# KiCad board Parallel.kicad_pcb (continued)
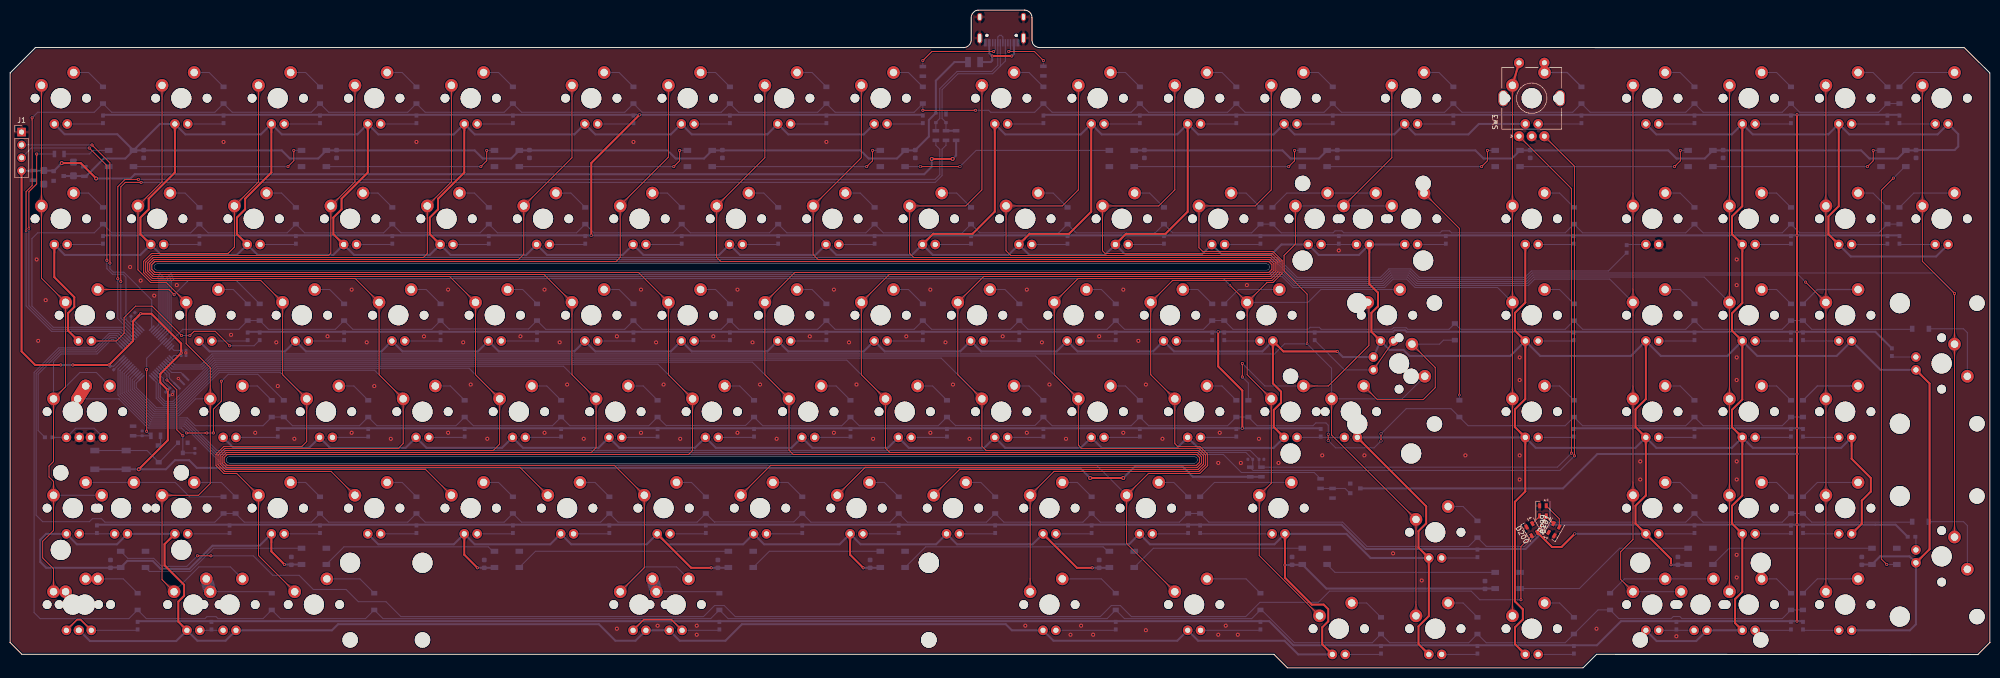
[diagram p0: board, top side]
## Copper pours and planes (outline as drawn; the poured copper is in the pictures) (continued)
Col11 on Top: 230.13,50.37 230.13,50.44 230.13,50.51 230.13,50.59 230.14,50.66 230.15,50.73 230.16,50.8 230.17,50.87 230.18,50.94 230.2,51.01 230.21,51.07 230.23,51.14 230.25,51.21 230.27,51.27 230.3,51.34 230.32,51.4 230.35,51.46 230.38,51.52 230.41,51.58 230.44,51.64 230.47,51.7 230.51,51.76 230.54,51.82 230.58,51.87 230.62,51.93 230.67,51.99 230.71,52.04 230.75,52.09 230.8,52.15 230.85,52.2 230.9,52.25 230.03,53.77 229.15,52.25 229.2,52.2 229.25,52.15 229.3,52.09 229.35,52.04 229.39,51.99 229.43,51.93 229.47,51.87 229.51,51.82 229.55,51.76 229.58,51.7 229.62,51.64 229.65,51.58 229.68,51.52 229.71,51.46 229.73,51.4 229.76,51.34 229.78,51.27 229.8,51.21 229.82,51.14 229.84,51.07 229.86,51.01 229.87,50.94 229.89,50.87 229.9,50.8 229.91,50.73 229.91,50.66 229.92,50.59 229.92,50.51 229.93,50.44 229.93,50.37
Col11 on Top: 222.4,36.13 222.34,36.07 222.29,36.02 222.23,35.97 222.18,35.93 222.12,35.88 222.07,35.84 222.01,35.8 221.95,35.76 221.89,35.72 221.83,35.69 221.77,35.65 221.71,35.62 221.65,35.59 221.59,35.56 221.53,35.53 221.46,35.51 221.4,35.48 221.34,35.46 221.27,35.44 221.21,35.42 221.14,35.41 221.07,35.39 221.01,35.38 220.94,35.37 220.87,35.36 220.8,35.35 220.73,35.35 220.66,35.34 220.59,35.34 220.52,35.34 220.06,33.65 221.75,34.1 221.75,34.18 221.75,34.25 221.76,34.32 221.76,34.39 221.77,34.46 221.78,34.53 221.79,34.59 221.8,34.66 221.82,34.73 221.84,34.8 221.85,34.86 221.87,34.93 221.89,34.99 221.92,35.05 221.94,35.12 221.97,35.18 222,35.24 222.03,35.3 222.06,35.36 222.1,35.42 222.13,35.48 222.17,35.54 222.21,35.6 222.25,35.65 222.29,35.71 222.34,35.77 222.39,35.82 222.43,35.88 222.48,35.93 222.54,35.98
Col11 on Top: 215.84,88.47 215.84,88.54 215.84,88.61 215.85,88.69 215.85,88.76 215.86,88.83 215.87,88.9 215.88,88.97 215.89,89.04 215.91,89.11 215.93,89.17 215.94,89.24 215.96,89.31 215.99,89.37 216.01,89.44 216.03,89.5 216.06,89.56 216.09,89.62 216.12,89.68 216.15,89.74 216.18,89.8 216.22,89.86 216.26,89.92 216.3,89.97 216.34,90.03 216.38,90.09 216.42,90.14 216.47,90.19 216.51,90.25 216.56,90.3 216.61,90.35 215.74,91.87 214.86,90.35 214.92,90.3 214.96,90.25 215.01,90.19 215.06,90.14 215.1,90.09 215.14,90.03 215.18,89.97 215.22,89.92 215.26,89.86 215.3,89.8 215.33,89.74 215.36,89.68 215.39,89.62 215.42,89.56 215.45,89.5 215.47,89.44 215.49,89.37 215.52,89.31 215.54,89.24 215.55,89.17 215.57,89.11 215.58,89.04 215.6,88.97 215.61,88.9 215.62,88.83 215.63,88.76 215.63,88.69 215.64,88.61 215.64,88.54 215.64,88.47
Col11 on Top: 227.16,74.23 227.1,74.17 227.05,74.12 227,74.07 226.94,74.03 226.88,73.98 226.83,73.94 226.77,73.9 226.71,73.86 226.65,73.82 226.6,73.79 226.54,73.75 226.47,73.72 226.41,73.69 226.35,73.66 226.29,73.63 226.23,73.61 226.16,73.58 226.1,73.56 226.03,73.54 225.97,73.52 225.9,73.51 225.84,73.49 225.77,73.48 225.7,73.47 225.63,73.46 225.56,73.45 225.49,73.45 225.42,73.44 225.35,73.44 225.28,73.44 224.82,71.75 226.51,72.2 226.51,72.28 226.52,72.35 226.52,72.42 226.53,72.49 226.53,72.56 226.54,72.63 226.55,72.69 226.57,72.76 226.58,72.83 226.6,72.9 226.62,72.96 226.63,73.03 226.66,73.09 226.68,73.15 226.71,73.22 226.73,73.28 226.76,73.34 226.79,73.4 226.82,73.46 226.86,73.52 226.89,73.58 226.93,73.64 226.97,73.7 227.01,73.75 227.06,73.81 227.1,73.87 227.15,73.92 227.2,73.98 227.25,74.03 227.3,74.08
Col11 on Top: 225.36,69.42 225.37,69.49 225.37,69.56 225.37,69.64 225.38,69.71 225.39,69.78 225.4,69.85 225.41,69.92 225.42,69.99 225.43,70.06 225.45,70.12 225.47,70.19 225.49,70.26 225.51,70.32 225.53,70.39 225.56,70.45 225.59,70.51 225.61,70.57 225.64,70.63 225.68,70.69 225.71,70.75 225.74,70.81 225.78,70.87 225.82,70.92 225.86,70.98 225.9,71.04 225.95,71.09 225.99,71.14 226.04,71.2 226.09,71.25 226.14,71.3 225.26,72.82 224.39,71.3 224.44,71.25 224.49,71.2 224.54,71.14 224.58,71.09 224.63,71.04 224.67,70.98 224.71,70.92 224.75,70.87 224.78,70.81 224.82,70.75 224.85,70.69 224.89,70.63 224.92,70.57 224.94,70.51 224.97,70.45 225,70.39 225.02,70.32 225.04,70.26 225.06,70.19 225.08,70.12 225.09,70.06 225.11,69.99 225.12,69.92 225.13,69.85 225.14,69.78 225.15,69.71 225.16,69.64 225.16,69.56 225.16,69.49 225.16,69.42
Col11 on Top: 227.99,55.03 228.05,54.98 228.1,54.93 228.14,54.87 228.19,54.82 228.24,54.76 228.28,54.7 228.32,54.65 228.36,54.59 228.4,54.53 228.43,54.47 228.47,54.41 228.5,54.35 228.53,54.29 228.56,54.23 228.59,54.17 228.61,54.1 228.64,54.04 228.66,53.98 228.68,53.91 228.7,53.85 228.71,53.78 228.73,53.71 228.74,53.64 228.75,53.58 228.76,53.51 228.77,53.44 228.77,53.37 228.78,53.3 228.78,53.23 228.78,53.15 230.47,52.7 230.01,54.39 229.94,54.39 229.87,54.39 229.8,54.4 229.73,54.4 229.66,54.41 229.59,54.42 229.52,54.43 229.46,54.44 229.39,54.46 229.32,54.47 229.26,54.49 229.19,54.51 229.13,54.53 229.07,54.56 229,54.58 228.94,54.61 228.88,54.64 228.82,54.67 228.76,54.7 228.7,54.74 228.64,54.77 228.58,54.81 228.52,54.85 228.46,54.89 228.41,54.93 228.35,54.98 228.3,55.02 228.24,55.07 228.19,55.12 228.13,55.18
Col11 on Top: 230.13,112.28 230.13,112.35 230.13,112.43 230.14,112.5 230.14,112.57 230.15,112.64 230.16,112.71 230.17,112.78 230.18,112.85 230.2,112.92 230.21,112.99 230.23,113.05 230.25,113.12 230.27,113.18 230.3,113.25 230.32,113.31 230.35,113.37 230.38,113.43 230.41,113.5 230.44,113.56 230.47,113.61 230.51,113.67 230.54,113.73 230.58,113.79 230.62,113.84 230.67,113.9 230.71,113.95 230.75,114.01 230.8,114.06 230.85,114.11 230.9,114.16 230.03,115.68 229.15,114.16 229.2,114.11 229.25,114.06 229.3,114.01 229.35,113.95 229.39,113.9 229.43,113.84 229.47,113.79 229.51,113.73 229.55,113.67 229.58,113.61 229.62,113.56 229.65,113.5 229.68,113.43 229.71,113.37 229.73,113.31 229.76,113.25 229.78,113.18 229.8,113.12 229.82,113.05 229.84,112.99 229.86,112.92 229.87,112.85 229.89,112.78 229.9,112.71 229.91,112.64 229.91,112.57 229.92,112.5 229.92,112.43 229.93,112.35 229.93,112.28
Col11 on Top: 218.52,91.34 218.44,91.34 218.37,91.35 218.29,91.35 218.22,91.36 218.15,91.36 218.08,91.37 218.01,91.38 217.94,91.4 217.87,91.41 217.81,91.43 217.74,91.45 217.68,91.47 217.61,91.49 217.55,91.51 217.48,91.54 217.42,91.56 217.36,91.59 217.3,91.62 217.24,91.65 217.18,91.69 217.12,91.72 217.06,91.76 217.01,91.8 216.95,91.84 216.9,91.88 216.84,91.92 216.79,91.97 216.74,92.02 216.68,92.07 216.63,92.12 215.11,91.24 216.63,90.37 216.68,90.42 216.74,90.47 216.79,90.51 216.84,90.56 216.9,90.6 216.95,90.65 217.01,90.69 217.06,90.73 217.12,90.76 217.18,90.8 217.24,90.83 217.3,90.86 217.36,90.89 217.42,90.92 217.48,90.95 217.55,90.97 217.61,91 217.68,91.02 217.74,91.04 217.81,91.06 217.87,91.07 217.94,91.09 218.01,91.1 218.08,91.11 218.15,91.12 218.22,91.13 218.29,91.13 218.37,91.14 218.44,91.14 218.52,91.14
Col11 on Bottom: 218.47,35.98 218.52,35.93 218.57,35.88 218.62,35.82 218.67,35.77 218.71,35.71 218.75,35.65 218.8,35.6 218.84,35.54 218.87,35.48 218.91,35.42 218.94,35.36 218.98,35.3 219.01,35.24 219.04,35.18 219.06,35.12 219.09,35.05 219.11,34.99 219.13,34.93 219.15,34.86 219.17,34.8 219.19,34.73 219.2,34.66 219.21,34.59 219.22,34.53 219.23,34.46 219.24,34.39 219.25,34.32 219.25,34.25 219.25,34.18 219.25,34.1 220.94,33.65 220.49,35.34 220.42,35.34 220.35,35.34 220.28,35.35 220.21,35.35 220.14,35.36 220.07,35.37 220,35.38 219.93,35.39 219.87,35.41 219.8,35.42 219.73,35.44 219.67,35.46 219.6,35.48 219.54,35.51 219.48,35.53 219.42,35.56 219.35,35.59 219.29,35.62 219.23,35.65 219.17,35.69 219.11,35.72 219.05,35.76 219,35.8 218.94,35.84 218.88,35.88 218.83,35.93 218.77,35.97 218.72,36.02 218.66,36.07 218.61,36.13
Col12 on Top: 246.8,31.32 246.8,31.39 246.8,31.46 246.8,31.54 246.81,31.61 246.82,31.68 246.83,31.75 246.84,31.82 246.85,31.89 246.87,31.96 246.88,32.02 246.9,32.09 246.92,32.16 246.94,32.22 246.97,32.29 246.99,32.35 247.02,32.41 247.05,32.47 247.08,32.53 247.11,32.59 247.14,32.65 247.18,32.71 247.21,32.77 247.25,32.82 247.29,32.88 247.33,32.94 247.38,32.99 247.42,33.04 247.47,33.1 247.52,33.15 247.57,33.2 246.7,34.72 245.82,33.2 245.87,33.15 245.92,33.1 245.97,33.04 246.01,32.99 246.06,32.94 246.1,32.88 246.14,32.82 246.18,32.77 246.22,32.71 246.25,32.65 246.29,32.59 246.32,32.53 246.35,32.47 246.38,32.41 246.4,32.35 246.43,32.29 246.45,32.22 246.47,32.16 246.49,32.09 246.51,32.02 246.53,31.96 246.54,31.89 246.55,31.82 246.57,31.75 246.58,31.68 246.58,31.61 246.59,31.54 246.59,31.46 246.6,31.39 246.6,31.32
Col12 on Top: 256.57,12.17 256.62,12.12 256.67,12.06 256.72,12.01 256.77,11.95 256.81,11.9 256.85,11.84 256.9,11.78 256.94,11.73 256.97,11.67 257.01,11.61 257.04,11.55 257.08,11.49 257.11,11.43 257.14,11.37 257.16,11.3 257.19,11.24 257.21,11.18 257.23,11.11 257.25,11.05 257.27,10.98 257.29,10.92 257.3,10.85 257.31,10.78 257.33,10.71 257.33,10.65 257.34,10.58 257.35,10.51 257.35,10.43 257.35,10.36 257.35,10.29 259.04,9.84 258.59,11.53 258.52,11.53 258.45,11.53 258.38,11.53 258.31,11.54 258.24,11.55 258.17,11.56 258.1,11.57 258.03,11.58 257.97,11.6 257.9,11.61 257.83,11.63 257.77,11.65 257.7,11.67 257.64,11.69 257.58,11.72 257.52,11.75 257.45,11.78 257.39,11.81 257.33,11.84 257.27,11.87 257.21,11.91 257.15,11.95 257.1,11.99 257.04,12.03 256.98,12.07 256.93,12.12 256.87,12.16 256.82,12.21 256.76,12.26 256.71,12.31
Col12 on Top: 242.28,74.08 242.33,74.03 242.38,73.98 242.43,73.92 242.48,73.87 242.52,73.81 242.57,73.75 242.61,73.7 242.65,73.64 242.69,73.58 242.72,73.52 242.76,73.46 242.79,73.4 242.82,73.34 242.85,73.28 242.87,73.22 242.9,73.15 242.92,73.09 242.94,73.03 242.96,72.96 242.98,72.9 243,72.83 243.01,72.76 243.03,72.69 243.04,72.63 243.05,72.56 243.05,72.49 243.06,72.42 243.06,72.35 243.06,72.28 243.06,72.2 244.76,71.75 244.3,73.44 244.23,73.44 244.16,73.44 244.09,73.45 244.02,73.45 243.95,73.46 243.88,73.47 243.81,73.48 243.74,73.49 243.68,73.51 243.61,73.52 243.55,73.54 243.48,73.56 243.42,73.58 243.35,73.61 243.29,73.63 243.23,73.66 243.17,73.69 243.1,73.72 243.04,73.75 242.98,73.79 242.93,73.82 242.87,73.86 242.81,73.9 242.75,73.94 242.7,73.98 242.64,74.03 242.58,74.07 242.53,74.12 242.48,74.17 242.42,74.23
Col12 on Top: 249.18,50.37 249.18,50.44 249.18,50.51 249.19,50.59 249.19,50.66 249.2,50.73 249.21,50.8 249.22,50.87 249.23,50.94 249.25,51.01 249.26,51.07 249.28,51.14 249.3,51.21 249.32,51.27 249.35,51.34 249.37,51.4 249.4,51.46 249.43,51.52 249.46,51.58 249.49,51.64 249.52,51.7 249.56,51.76 249.59,51.82 249.63,51.87 249.67,51.93 249.72,51.99 249.76,52.04 249.81,52.09 249.85,52.15 249.9,52.2 249.95,52.25 249.08,53.77 248.2,52.25 248.25,52.2 248.3,52.15 248.35,52.09 248.4,52.04 248.44,51.99 248.48,51.93 248.52,51.87 248.56,51.82 248.6,51.76 248.63,51.7 248.67,51.64 248.7,51.58 248.73,51.52 248.76,51.46 248.78,51.4 248.81,51.34 248.83,51.27 248.85,51.21 248.87,51.14 248.89,51.07 248.91,51.01 248.92,50.94 248.94,50.87 248.95,50.8 248.96,50.73 248.96,50.66 248.97,50.59 248.97,50.51 248.98,50.44 248.98,50.37
Col12 on Top: 248.59,36.13 248.54,36.07 248.48,36.02 248.43,35.97 248.37,35.93 248.32,35.88 248.26,35.84 248.2,35.8 248.14,35.76 248.09,35.72 248.03,35.69 247.97,35.65 247.91,35.62 247.85,35.59 247.78,35.56 247.72,35.53 247.66,35.51 247.6,35.48 247.53,35.46 247.47,35.44 247.4,35.42 247.33,35.41 247.27,35.39 247.2,35.38 247.13,35.37 247.06,35.36 246.99,35.35 246.92,35.35 246.85,35.34 246.78,35.34 246.71,35.34 246.25,33.65 247.95,34.1 247.95,34.18 247.95,34.25 247.95,34.32 247.96,34.39 247.97,34.46 247.97,34.53 247.99,34.59 248,34.66 248.01,34.73 248.03,34.8 248.05,34.86 248.07,34.93 248.09,34.99 248.11,35.05 248.14,35.12 248.16,35.18 248.19,35.24 248.22,35.3 248.26,35.36 248.29,35.42 248.33,35.48 248.36,35.54 248.4,35.6 248.44,35.65 248.49,35.71 248.53,35.77 248.58,35.82 248.63,35.88 248.68,35.93 248.73,35.98
Col12 on Top: 244.41,69.42 244.42,69.49 244.42,69.56 244.42,69.64 244.43,69.71 244.44,69.78 244.45,69.85 244.46,69.92 244.47,69.99 244.48,70.06 244.5,70.12 244.52,70.19 244.54,70.26 244.56,70.32 244.58,70.39 244.61,70.45 244.64,70.51 244.66,70.57 244.69,70.63 244.73,70.69 244.76,70.75 244.79,70.81 244.83,70.87 244.87,70.92 244.91,70.98 244.95,71.04 245,71.09 245.04,71.14 245.09,71.2 245.14,71.25 245.19,71.3 244.31,72.82 243.44,71.3 243.49,71.25 243.54,71.2 243.59,71.14 243.63,71.09 243.68,71.04 243.72,70.98 243.76,70.92 243.8,70.87 243.84,70.81 243.87,70.75 243.9,70.69 243.94,70.63 243.97,70.57 243.99,70.51 244.02,70.45 244.05,70.39 244.07,70.32 244.09,70.26 244.11,70.19 244.13,70.12 244.14,70.06 244.16,69.99 244.17,69.92 244.18,69.85 244.19,69.78 244.2,69.71 244.21,69.64 244.21,69.56 244.21,69.49 244.21,69.42
Col12 on Top: 247.04,55.03 247.1,54.98 247.15,54.93 247.19,54.87 247.24,54.82 247.29,54.76 247.33,54.7 247.37,54.65 247.41,54.59 247.45,54.53 247.48,54.47 247.52,54.41 247.55,54.35 247.58,54.29 247.61,54.23 247.64,54.17 247.66,54.1 247.69,54.04 247.71,53.98 247.73,53.91 247.75,53.85 247.76,53.78 247.78,53.71 247.79,53.64 247.8,53.58 247.81,53.51 247.82,53.44 247.82,53.37 247.83,53.3 247.83,53.23 247.83,53.15 249.52,52.7 249.07,54.39 248.99,54.39 248.92,54.39 248.85,54.4 248.78,54.4 248.71,54.41 248.64,54.42 248.57,54.43 248.51,54.44 248.44,54.46 248.37,54.47 248.31,54.49 248.24,54.51 248.18,54.53 248.12,54.56 248.05,54.58 247.99,54.61 247.93,54.64 247.87,54.67 247.81,54.7 247.75,54.74 247.69,54.77 247.63,54.81 247.57,54.85 247.51,54.89 247.46,54.93 247.4,54.98 247.35,55.02 247.29,55.07 247.24,55.12 247.19,55.18
Col12 on Top: 246.21,74.23 246.15,74.17 246.1,74.12 246.05,74.07 245.99,74.03 245.93,73.98 245.88,73.94 245.82,73.9 245.76,73.86 245.7,73.82 245.65,73.79 245.59,73.75 245.52,73.72 245.46,73.69 245.4,73.66 245.34,73.63 245.28,73.61 245.21,73.58 245.15,73.56 245.08,73.54 245.02,73.52 244.95,73.51 244.89,73.49 244.82,73.48 244.75,73.47 244.68,73.46 244.61,73.45 244.54,73.45 244.47,73.44 244.4,73.44 244.33,73.44 243.87,71.75 245.56,72.2 245.56,72.28 245.57,72.35 245.57,72.42 245.58,72.49 245.58,72.56 245.59,72.63 245.6,72.69 245.62,72.76 245.63,72.83 245.65,72.9 245.67,72.96 245.68,73.03 245.71,73.09 245.73,73.15 245.76,73.22 245.78,73.28 245.81,73.34 245.84,73.4 245.87,73.46 245.91,73.52 245.94,73.58 245.98,73.64 246.02,73.7 246.06,73.75 246.11,73.81 246.15,73.87 246.2,73.92 246.25,73.98 246.3,74.03 246.35,74.08
Col12 on Top: 234.89,88.47 234.89,88.54 234.89,88.61 234.9,88.69 234.9,88.76 234.91,88.83 234.92,88.9 234.93,88.97 234.94,89.04 234.96,89.11 234.98,89.17 234.99,89.24 235.01,89.31 235.04,89.37 235.06,89.44 235.08,89.5 235.11,89.56 235.14,89.62 235.17,89.68 235.2,89.74 235.23,89.8 235.27,89.86 235.31,89.92 235.35,89.97 235.39,90.03 235.43,90.09 235.47,90.14 235.52,90.19 235.56,90.25 235.61,90.3 235.66,90.35 234.79,91.87 233.91,90.35 233.97,90.3 234.01,90.25 234.06,90.19 234.11,90.14 234.15,90.09 234.19,90.03 234.23,89.97 234.27,89.92 234.31,89.86 234.35,89.8 234.38,89.74 234.41,89.68 234.44,89.62 234.47,89.56 234.5,89.5 234.52,89.44 234.54,89.37 234.57,89.31 234.59,89.24 234.6,89.17 234.62,89.11 234.63,89.04 234.65,88.97 234.66,88.9 234.67,88.83 234.68,88.76 234.68,88.69 234.69,88.61 234.69,88.54 234.69,88.47
Col12 on Top: 249.18,112.28 249.18,112.35 249.18,112.43 249.19,112.5 249.19,112.57 249.2,112.64 249.21,112.71 249.22,112.78 249.23,112.85 249.25,112.92 249.26,112.99 249.28,113.05 249.3,113.12 249.32,113.18 249.35,113.25 249.37,113.31 249.4,113.37 249.43,113.43 249.46,113.5 249.49,113.56 249.52,113.61 249.56,113.67 249.59,113.73 249.63,113.79 249.67,113.84 249.72,113.9 249.76,113.95 249.81,114.01 249.85,114.06 249.9,114.11 249.95,114.16 249.08,115.68 248.2,114.16 248.25,114.11 248.3,114.06 248.35,114.01 248.4,113.95 248.44,113.9 248.48,113.84 248.52,113.79 248.56,113.73 248.6,113.67 248.63,113.61 248.67,113.56 248.7,113.5 248.73,113.43 248.76,113.37 248.78,113.31 248.81,113.25 248.83,113.18 248.85,113.12 248.87,113.05 248.89,112.99 248.91,112.92 248.92,112.85 248.94,112.78 248.95,112.71 248.96,112.64 248.96,112.57 248.97,112.5 248.97,112.43 248.98,112.35 248.98,112.28
Col12 on Top: 237.57,91.34 237.49,91.34 237.42,91.35 237.34,91.35 237.27,91.36 237.2,91.36 237.13,91.37 237.06,91.38 236.99,91.4 236.92,91.41 236.86,91.43 236.79,91.45 236.73,91.47 236.66,91.49 236.6,91.51 236.53,91.54 236.47,91.56 236.41,91.59 236.35,91.62 236.29,91.65 236.23,91.69 236.17,91.72 236.11,91.76 236.06,91.8 236,91.84 235.95,91.88 235.89,91.92 235.84,91.97 235.79,92.02 235.73,92.07 235.68,92.12 234.16,91.24 235.68,90.37 235.73,90.42 235.79,90.47 235.84,90.51 235.89,90.56 235.95,90.6 236,90.65 236.06,90.69 236.11,90.73 236.17,90.76 236.23,90.8 236.29,90.83 236.35,90.86 236.41,90.89 236.47,90.92 236.53,90.95 236.6,90.97 236.66,91 236.73,91.02 236.79,91.04 236.86,91.06 236.92,91.07 236.99,91.09 237.06,91.1 237.13,91.11 237.2,91.12 237.27,91.13 237.34,91.13 237.42,91.14 237.49,91.14 237.57,91.14
Col12 on Bottom: 271.7,74.63 271.78,74.63 271.85,74.63 271.92,74.62 271.99,74.62 272.07,74.61 272.14,74.6 272.21,74.59 272.28,74.58 272.34,74.56 272.41,74.55 272.48,74.53 272.54,74.51 272.61,74.49 272.67,74.46 272.73,74.44 272.8,74.41 272.86,74.38 272.92,74.35 272.98,74.32 273.04,74.29 273.1,74.25 273.15,74.21 273.21,74.18 273.27,74.14 273.32,74.09 273.38,74.05 273.43,74 273.48,73.96 273.53,73.91 273.59,73.86 275.1,74.73 273.59,75.61 273.53,75.56 273.48,75.51 273.43,75.46 273.38,75.41 273.32,75.37 273.27,75.33 273.21,75.29 273.15,75.25 273.1,75.21 273.04,75.18 272.98,75.14 272.92,75.11 272.86,75.08 272.8,75.05 272.73,75.03 272.67,75 272.61,74.98 272.54,74.96 272.48,74.94 272.41,74.92 272.34,74.9 272.28,74.89 272.21,74.87 272.14,74.86 272.07,74.85 271.99,74.85 271.92,74.84 271.85,74.84 271.78,74.83 271.7,74.83
Col12 on Bottom: 247.09,72.29 247.02,72.29 246.94,72.3 246.87,72.3 246.8,72.31 246.73,72.31 246.66,72.32 246.59,72.33 246.52,72.35 246.45,72.36 246.38,72.38 246.32,72.4 246.25,72.42 246.19,72.44 246.12,72.46 246.06,72.49 246,72.51 245.93,72.54 245.87,72.57 245.81,72.6 245.75,72.64 245.7,72.67 245.64,72.71 245.58,72.75 245.53,72.79 245.47,72.83 245.42,72.87 245.36,72.92 245.31,72.97 245.26,73.02 245.21,73.07 243.69,72.19 245.21,71.32 245.26,71.37 245.31,71.42 245.36,71.46 245.42,71.51 245.47,71.55 245.53,71.6 245.58,71.64 245.64,71.68 245.7,71.71 245.75,71.75 245.81,71.78 245.87,71.81 245.93,71.84 246,71.87 246.06,71.9 246.12,71.92 246.19,71.95 246.25,71.97 246.32,71.99 246.38,72.01 246.45,72.02 246.52,72.04 246.59,72.05 246.66,72.06 246.73,72.07 246.8,72.08 246.87,72.08 246.94,72.09 247.02,72.09 247.09,72.09
Col13 on Top: 277.75,26.55 277.75,26.63 277.76,26.7 277.76,26.77 277.77,26.85 277.77,26.92 277.78,26.99 277.8,27.06 277.81,27.13 277.82,27.19 277.84,27.26 277.86,27.33 277.88,27.39 277.9,27.46 277.92,27.52 277.95,27.59 277.97,27.65 278,27.71 278.03,27.77 278.06,27.83 278.1,27.89 278.13,27.95 278.17,28.01 278.21,28.06 278.25,28.12 278.29,28.17 278.34,28.23 278.38,28.28 278.43,28.33 278.48,28.39 278.53,28.44 277.65,29.95 276.78,28.44 276.83,28.39 276.88,28.33 276.93,28.28 276.97,28.23 277.01,28.17 277.06,28.12 277.1,28.06 277.14,28.01 277.17,27.95 277.21,27.89 277.24,27.83 277.27,27.77 277.3,27.71 277.33,27.65 277.36,27.59 277.38,27.52 277.41,27.46 277.43,27.39 277.45,27.33 277.47,27.26 277.48,27.19 277.5,27.13 277.51,27.06 277.52,26.99 277.53,26.92 277.54,26.85 277.55,26.77 277.55,26.7 277.55,26.63 277.55,26.55
Col13 on Top: 277.55,13.06 277.55,12.98 277.55,12.91 277.55,12.83 277.54,12.76 277.53,12.69 277.52,12.62 277.51,12.55 277.5,12.48 277.48,12.41 277.47,12.35 277.45,12.28 277.43,12.21 277.41,12.15 277.38,12.09 277.36,12.02 277.33,11.96 277.3,11.9 277.27,11.84 277.24,11.78 277.21,11.72 277.17,11.66 277.14,11.6 277.1,11.55 277.06,11.49 277.01,11.44 276.97,11.38 276.93,11.33 276.88,11.27 276.83,11.22 276.78,11.17 277.65,9.65 278.53,11.17 278.48,11.22 278.43,11.27 278.38,11.33 278.34,11.38 278.29,11.44 278.25,11.49 278.21,11.55 278.17,11.6 278.13,11.66 278.1,11.72 278.06,11.78 278.03,11.84 278,11.9 277.97,11.96 277.95,12.02 277.92,12.09 277.9,12.15 277.88,12.21 277.86,12.28 277.84,12.35 277.82,12.41 277.81,12.48 277.8,12.55 277.78,12.62 277.77,12.69 277.77,12.76 277.76,12.83 277.76,12.91 277.75,12.98 277.75,13.06
Col13 on Top: 253.94,88.47 253.94,88.54 253.94,88.61 253.95,88.69 253.95,88.76 253.96,88.83 253.97,88.9 253.98,88.97 253.99,89.04 254.01,89.11 254.03,89.17 254.04,89.24 254.06,89.31 254.09,89.37 254.11,89.44 254.13,89.5 254.16,89.56 254.19,89.62 254.22,89.68 254.25,89.74 254.28,89.8 254.32,89.86 254.36,89.92 254.4,89.97 254.44,90.03 254.48,90.09 254.52,90.14 254.57,90.19 254.61,90.25 254.66,90.3 254.71,90.35 253.84,91.87 252.96,90.35 253.02,90.3 253.06,90.25 253.11,90.19 253.16,90.14 253.2,90.09 253.24,90.03 253.28,89.97 253.32,89.92 253.36,89.86 253.4,89.8 253.43,89.74 253.46,89.68 253.49,89.62 253.52,89.56 253.55,89.5 253.57,89.44 253.59,89.37 253.62,89.31 253.64,89.24 253.65,89.17 253.67,89.11 253.68,89.04 253.7,88.97 253.71,88.9 253.72,88.83 253.73,88.76 253.73,88.69 253.74,88.61 253.74,88.54 253.74,88.47
Col13 on Top: 261.08,50.37 261.09,50.44 261.09,50.51 261.09,50.59 261.1,50.66 261.11,50.73 261.12,50.8 261.13,50.87 261.14,50.94 261.15,51.01 261.17,51.07 261.19,51.14 261.21,51.21 261.23,51.27 261.25,51.34 261.28,51.4 261.3,51.46 261.33,51.52 261.36,51.58 261.4,51.64 261.43,51.7 261.46,51.76 261.5,51.82 261.54,51.87 261.58,51.93 261.62,51.99 261.67,52.04 261.71,52.09 261.76,52.15 261.81,52.2 261.86,52.25 260.98,53.77 260.11,52.25 260.16,52.2 260.21,52.15 260.26,52.09 260.3,52.04 260.35,51.99 260.39,51.93 260.43,51.87 260.47,51.82 260.5,51.76 260.54,51.7 260.57,51.64 260.61,51.58 260.64,51.52 260.66,51.46 260.69,51.4 260.72,51.34 260.74,51.27 260.76,51.21 260.78,51.14 260.8,51.07 260.81,51.01 260.83,50.94 260.84,50.87 260.85,50.8 260.86,50.73 260.87,50.66 260.88,50.59 260.88,50.51 260.88,50.44 260.88,50.37
Col13 on Top: 275.62,31.22 275.67,31.17 275.72,31.11 275.77,31.06 275.82,31 275.86,30.95 275.9,30.89 275.95,30.83 275.99,30.78 276.02,30.72 276.06,30.66 276.09,30.6 276.13,30.54 276.16,30.48 276.19,30.42 276.21,30.35 276.24,30.29 276.26,30.23 276.28,30.16 276.3,30.1 276.32,30.03 276.34,29.97 276.35,29.9 276.36,29.83 276.38,29.76 276.38,29.7 276.39,29.63 276.4,29.56 276.4,29.49 276.4,29.41 276.4,29.34 278.09,28.89 277.64,30.58 277.57,30.58 277.5,30.58 277.43,30.58 277.36,30.59 277.29,30.6 277.22,30.61 277.15,30.62 277.08,30.63 277.02,30.65 276.95,30.66 276.88,30.68 276.82,30.7 276.75,30.72 276.69,30.74 276.63,30.77 276.57,30.8 276.5,30.83 276.44,30.86 276.38,30.89 276.32,30.92 276.26,30.96 276.21,31 276.15,31.04 276.09,31.08 276.03,31.12 275.98,31.17 275.92,31.21 275.87,31.26 275.81,31.31 275.76,31.36
Col13 on Top: 272.99,112.28 272.99,112.35 272.99,112.43 273,112.5 273,112.57 273.01,112.64 273.02,112.71 273.03,112.78 273.04,112.85 273.06,112.92 273.08,112.99 273.09,113.05 273.11,113.12 273.14,113.18 273.16,113.25 273.18,113.31 273.21,113.37 273.24,113.43 273.27,113.5 273.3,113.56 273.33,113.61 273.37,113.67 273.41,113.73 273.45,113.79 273.49,113.84 273.53,113.9 273.57,113.95 273.62,114.01 273.66,114.06 273.71,114.11 273.76,114.16 272.89,115.68 272.01,114.16 272.07,114.11 272.11,114.06 272.16,114.01 272.21,113.95 272.25,113.9 272.29,113.84 272.33,113.79 272.37,113.73 272.41,113.67 272.45,113.61 272.48,113.56 272.51,113.5 272.54,113.43 272.57,113.37 272.6,113.31 272.62,113.25 272.64,113.18 272.67,113.12 272.69,113.05 272.7,112.99 272.72,112.92 272.73,112.85 272.75,112.78 272.76,112.71 272.77,112.64 272.78,112.57 272.78,112.5 272.79,112.43 272.79,112.35 272.79,112.28
Col13 on Top: 265.26,93.28 265.2,93.22 265.15,93.17 265.1,93.12 265.04,93.08 264.98,93.03 264.93,92.99 264.87,92.95 264.81,92.91 264.75,92.87 264.7,92.84 264.64,92.8 264.58,92.77 264.51,92.74 264.45,92.71 264.39,92.68 264.33,92.66 264.26,92.63 264.2,92.61 264.13,92.59 264.07,92.57 264,92.56 263.94,92.54 263.87,92.53 263.8,92.52 263.73,92.51 263.66,92.5 263.59,92.5 263.52,92.49 263.45,92.49 263.38,92.49 262.92,90.8 264.62,91.25 264.62,91.33 264.62,91.4 264.62,91.47 264.63,91.54 264.63,91.61 264.64,91.68 264.65,91.74 264.67,91.81 264.68,91.88 264.7,91.95 264.72,92.01 264.74,92.08 264.76,92.14 264.78,92.2 264.81,92.27 264.83,92.33 264.86,92.39 264.89,92.45 264.92,92.51 264.96,92.57 264.99,92.63 265.03,92.69 265.07,92.75 265.11,92.8 265.16,92.86 265.2,92.92 265.25,92.97 265.3,93.03 265.35,93.08 265.4,93.13
Col13 on Bottom: 266.14,91.34 266.07,91.34 265.99,91.35 265.92,91.35 265.85,91.36 265.78,91.36 265.71,91.37 265.64,91.38 265.57,91.4 265.5,91.41 265.43,91.43 265.37,91.45 265.3,91.47 265.24,91.49 265.17,91.51 265.11,91.54 265.05,91.56 264.98,91.59 264.92,91.62 264.86,91.65 264.81,91.69 264.75,91.72 264.69,91.76 264.63,91.8 264.58,91.84 264.52,91.88 264.47,91.92 264.41,91.97 264.36,92.02 264.31,92.07 264.26,92.12 262.74,91.24 264.26,90.37 264.31,90.42 264.36,90.47 264.41,90.51 264.47,90.56 264.52,90.6 264.58,90.65 264.63,90.69 264.69,90.73 264.75,90.76 264.81,90.8 264.86,90.83 264.92,90.86 264.98,90.89 265.05,90.92 265.11,90.95 265.17,90.97 265.24,91 265.3,91.02 265.37,91.04 265.43,91.06 265.5,91.07 265.57,91.09 265.64,91.1 265.71,91.11 265.78,91.12 265.85,91.13 265.92,91.13 265.99,91.14 266.07,91.14 266.14,91.14